# KiCad board poly_kb_wave_right.kicad_pcb (continued)
## Nets (continued)
GND: C1.2 C1_1.2 C1_2.2 C1_3.2 C1_4.2 C1_5.2 C1_6.2 C1_7.2 C1_8.2 C1_9.2 C1_10.2 C1_11.2 C1_12.2 C1_13.2 C1_14.2 C1_15.2 C1_16.2 C1_17.2 C1_18.2 C1_19.2 C1_20.2 C1_21.2 C1_22.2 C1_23.2 C1_24.2 C1_25.2 C1_26.2 C1_27.2 C1_28.2 C1_29.2 C1_30.2 C1_31.2 C1_32.2 C1_33.2 C1_34.2 C1_35.2 C1_36.2 C2.2 C2_1.2 C2_2.2 C2_3.2 C2_4.2 C2_5.2 C2_6.2 C2_7.2 C2_8.2 C2_9.2 C2_10.2 C2_11.2 C2_12.2 C2_13.2 C2_14.2 C2_15.2 C2_16.2 C2_17.2 C2_18.2 C2_19.2 C2_20.2 C2_21.2 C2_22.2 C2_23.2 C2_24.2 C2_25.2 C2_26.2 C2_27.2 C2_28.2 C2_29.2 C2_30.2 C2_31.2 C2_32.2 C2_33.2 C2_34.2 C2_35.2 C2_36.2 C3.1 C3_1.2 C3_2.2 C3_3.2 C3_4.2 C3_5.2 C3_6.2 C3_7.2 C3_8.2 C3_9.2 C3_10.2 C3_11.2 C3_12.2 C3_13.2 C3_14.2 C3_15.2 C3_16.2 C3_17.2 C3_18.2 C3_19.2 C3_20.2 C3_21.2 C3_22.2 C3_23.2 C3_24.2 C3_25.2 C3_26.2 C3_27.2 C3_28.2 C3_29.2 C3_30.2 C3_31.2 C3_32.2 C3_33.2 C3_34.2 C3_35.2 C3_36.2 C4.2 C4_1.2 C4_2.2 C4_3.2 C4_4.2 C4_5.2 C4_6.2 C4_7.2 C4_8.2 C4_9.2 C4_10.2 C4_11.2 C4_12.2 C4_13.2 C4_14.2 C4_15.2 C4_16.2 C4_17.2 C4_18.2 C4_19.2 C4_20.2 C4_21.2 C4_22.2 C4_23.2 C4_24.2 C4_25.2 C4_26.2 C4_27.2 C4_28.2 C4_29.2 C4_30.2 C4_31.2 C4_32.2 C4_33.2 C4_34.2 C4_35.2 C4_36.2 C6.2 C7.1 C8.1 C9.2 C10.2 C12.2 C13.2 C14.2 C15.2 C16.2 C17.2 C18.2 C19.2 C20.2 C21.2 C22.2 C23.2 C24.2 C25.2 C26.2 C32.1 C33.2 C34.2 H1.1 H2.1 H3.1 H4.1 H5.1 H6.1 H7.1 H8.1 H9.1 J1.1 J2.1 J3.1 J4.1 J5.1 J6.1 J7.1 J8.1 J9.1 J10.1 J11.1 J12.1 J13.1 J14.1 J15.1 J16.1 J17.1 J18.1 J19.1 J20.1 J21.1 J22.1 J23.1 J24.1 J25.1 J26.1 J27.1 J28.1 J29.1 J30.1 J31.1 J32.1 J33.1 J34.1 J35.1 J36.1 J37.1 J37.8 J37.10 J37.12 J37.13 J37.15 J37.16 J37.17 J37.21 J37.22 J37.23 J37.24 J37.25 J37.29 J37.30 J38.1 J40.2 J43.11 J44.1 JP33.3 LED1.3 LED2.3 LED3.3 LED4.3 LED5.3 LED6.3 LED7.3 LED8.3 LED9.3 LED10.3 LED11.3 LED12.3 LED13.3 LED14.3 LED15.3 LED16.3 LED17.3 LED18.3 LED19.3 LED20.3 LED21.3 LED22.3 LED23.3 LED24.3 LED25.3 LED26.3 LED27.3 LED28.3 LED29.3 LED30.3 LED31.3 LED32.3 LED33.3 LED34.3 LED35.3 LED36.3 R5.1 R6.1 R7.1 R9.1 R12.1 R13.2 R15.2 R16.1 R17.1 R18.2 R30.1 SW2.2 SW3.1 U1.2 U2.2 U3.2 U4.8 U4.13 U5.8 U5.13 U6.8 U6.13 U7.8 U7.13 U8.8 U8.13 U9.4 U10.19 U10.57 U30.1 U30.3 U31.1 U31.3 U32.1 U32.3 U33.1 U33.3 U34.1 U34.3 U35.1 U35.3 U36.1 U36.3 U37.1 U37.3 U38.1 U38.3 U39.1 U39.3 U40.1 U40.3 U41.1 U41.3 U42.1 U42.3 U43.1 U43.3 USB1.1 USB1.12 USB2.1 USB2.3 USB2.4 USB2.9 USB2.10 USB2.12 Y1.2 Y1.4
VBAT: C2_1.1 C2_2.1 C2_3.1 C2_4.1 C2_5.1 C2_6.1 C2_7.1 C2_8.1 C2_9.1 C2_10.1 C2_11.1 C2_12.1 C2_13.1 C2_14.1 C2_15.1 C2_16.1 C2_17.1 C2_18.1 C2_19.1 C2_20.1 C2_21.1 C2_22.1 C2_23.1 C2_24.1 C2_25.1 C2_26.1 C2_27.1 C2_28.1 C2_29.1 C2_30.1 C2_31.1 C2_32.1 C2_33.1 C2_34.1 C2_35.1 C2_36.1 J1.6 J2.6 J3.6 J4.6 J5.6 J6.6 J7.6 J8.6 J9.6 J10.6 J11.6 J12.6 J13.6 J14.6 J15.6 J16.6 J17.6 J18.6 J19.6 J20.6 J21.6 J22.6 J23.6 J24.6 J25.6 J26.6 J27.6 J28.6 J29.6 J30.6 J31.6 J32.6 J33.6 J34.6 J35.6 J36.6 J38.10 JP2.2 JP4.2 JP31.1 JP32.3
VBUS: CR1.2 JP1.3 JP30.3 R8.1 USB1.2 USB1.11 USB2.2 USB2.11
VDD: C3_1.1 C3_2.1 C3_3.1 C3_4.1 C3_5.1 C3_6.1 C3_7.1 C3_8.1 C3_9.1 C3_10.1 C3_11.1 C3_12.1 C3_13.1 C3_14.1 C3_15.1 C3_16.1 C3_17.1 C3_18.1 C3_19.1 C3_20.1 C3_21.1 C3_22.1 C3_23.1 C3_24.1 C3_25.1 C3_26.1 C3_27.1 C3_28.1 C3_29.1 C3_30.1 C3_31.1 C3_32.1 C3_33.1 C3_34.1 C3_35.1 C3_36.1 C32.2 J1.7 J2.7 J3.7 J4.7 J5.7 J6.7 J7.7 J8.7 J9.7 J10.7 J11.7 J12.7 J13.7 J14.7 J15.7 J16.7 J17.7 J18.7 J19.7 J20.7 J21.7 J22.7 J23.7 J24.7 J25.7 J26.7 J27.7 J28.7 J29.7 J30.7 J31.7 J32.7 J33.7 J34.7 J35.7 J36.7 J37.9 J37.11 J38.9 JP12.2 JP14.2 JP32.1 R1_1.1 R1_2.1 R1_3.1 R1_4.1 R1_5.1 R1_6.1 R1_7.1 R1_8.1 R1_9.1 R1_10.1 R1_11.1 R1_12.1 R1_13.1 R1_14.1 R1_15.1 R1_16.1 R1_17.1 R1_18.1 R1_19.1 R1_20.1 R1_21.1 R1_22.1 R1_23.1 R1_24.1 R1_25.1 R1_26.1 R1_27.1 R1_28.1 R1_29.1 R1_30.1 R1_31.1 R1_32.1 R1_33.1 R1_34.1 R1_35.1 R1_36.1 R3.1 R4.1 U4.16 U5.16 U6.16 U7.16 U8.16 U30.5 U31.5 U32.5 U33.5 U34.5 U35.5 U36.5 U37.5 U38.5 U39.5 U40.5 U41.5 U42.5 U43.5
/K_1/C1N: C6_2.2 J2.5
/K_1/C1P: C6_2.1 J2.4
/K_1/C2N: C5_2.2 J2.3
/K_1/C2P: C5_2.1 J2.2
/K_1/CS: J2.8 R1_2.2 U4.1
/K_1/LED_DIN: LED2.4 LED3.2
/K_1/LED_DOUT: LED1.4 LED2.2
/K_1/VCOMH: C4_2.1 J2.13
/K_2/C1N: C6_3.2 J3.5
/K_2/C1P: C6_3.1 J3.4
/K_2/C2N: C5_3.2 J3.3
/K_2/C2P: C5_3.1 J3.2
/K_2/CS: J3.8 R1_3.2 U4.2
/K_2/LED_DIN: LED3.4 LED4.2
/K_2/VCOMH: C4_3.1 J3.13
/K_3/C1N: C6_4.2 J4.5
/K_3/C1P: C6_4.1 J4.4
/K_3/C2N: C5_4.2 J4.3
/K_3/C2P: C5_4.1 J4.2
/K_3/CS: J4.8 R1_4.2 U4.3
/K_3/LED_DIN: LED4.4 LED5.2
/K_3/VCOMH: C4_4.1 J4.13
/K_4/C1N: C6_5.2 J5.5
/K_4/C1P: C6_5.1 J5.4
/K_4/C2N: C5_5.2 J5.3
/K_4/C2P: C5_5.1 J5.2
/K_4/CS: J5.8 R1_5.2 U4.4
/K_4/LED_DIN: LED5.4 LED6.2
/K_4/VCOMH: C4_5.1 J5.13
/K_5/C1N: C6_6.2 J6.5
/K_5/C1P: C6_6.1 J6.4
/K_5/C2N: C5_6.2 J6.3
/K_5/C2P: C5_6.1 J6.2
/K_5/CS: J6.8 R1_6.2 U4.5
/K_5/LED_DIN: LED6.4 LED7.2
/K_5/VCOMH: C4_6.1 J6.13
/K_A/C1N: C6_16.2 J16.5
/K_A/C1P: C6_16.1 J16.4
/K_A/C2N: C5_16.2 J16.3
/K_A/C2P: C5_16.1 J16.2
/K_A/CS: J16.8 R1_16.2 U6.1
/K_A/LED_DIN: LED16.4 LED17.2
/K_A/LED_DOUT: LED15.4 LED16.2
/K_A/VCOMH: C4_16.1 J16.13
/K_B1/C1N: C6_30.2 J30.5
/K_B1/C1P: C6_30.1 J30.4
/K_B1/C2N: C5_30.2 J30.3
/K_B1/C2P: C5_30.1 J30.2
/K_B1/CS: J30.8 R1_30.2 U8.1
/K_B1/LED_DIN: LED30.4 LED31.2
/K_B1/LED_DOUT: LED29.4 LED30.2
/K_B1/VCOMH: C4_30.1 J30.13
/K_B2/C1N: C6_31.2 J31.5
/K_B2/C1P: C6_31.1 J31.4
/K_B2/C2N: C5_31.2 J31.3
/K_B2/C2P: C5_31.1 J31.2
/K_B2/CS: J31.8 R1_31.2 U8.2
/K_B2/LED_DIN: LED31.4 LED32.2
/K_B2/VCOMH: C4_31.1 J31.13
/K_B3/C1N: C6_32.2 J32.5
/K_B3/C1P: C6_32.1 J32.4
/K_B3/C2N: C5_32.2 J32.3
/K_B3/C2P: C5_32.1 J32.2
/K_B3/CS: J32.8 R1_32.2 U8.3
/K_B3/LED_DIN: LED32.4 LED33.2
/K_B3/VCOMH: C4_32.1 J32.13
/K_B4/C1N: C6_33.2 J33.5
/K_B4/C1P: C6_33.1 J33.4
/K_B4/C2N: C5_33.2 J33.3
/K_B4/C2P: C5_33.1 J33.2
/K_B4/CS: J33.8 R1_33.2 U8.4
/K_B4/LED_DIN: LED33.4 LED34.2
/K_B4/VCOMH: C4_33.1 J33.13
/K_B5/C1N: C6_34.2 J34.5
/K_B5/C1P: C6_34.1 J34.4
/K_B5/C2N: C5_34.2 J34.3
/K_B5/C2P: C5_34.1 J34.2
/K_B5/CS: J34.8 R1_34.2 U8.5
/K_B5/LED_DIN: LED34.4 LED35.2
/K_B5/VCOMH: C4_34.1 J34.13
/K_B6/C1N: C6_35.2 J35.5
/K_B6/C1P: C6_35.1 J35.4
/K_B6/C2N: C5_35.2 J35.3
/K_B6/C2P: C5_35.1 J35.2
/K_B6/CS: J35.8 R1_35.2 U8.6
/K_B6/LED_DIN: LED35.4 LED36.2
/K_B6/VCOMH: C4_35.1 J35.13
/K_B7/C1N: C6_36.2 J36.5
/K_B7/C1P: C6_36.1 J36.4
/K_B7/C2N: C5_36.2 J36.3
/K_B7/C2P: C5_36.1 J36.2
/K_B7/CS: J36.8 R1_36.2 U8.7
/K_B7/LED_DIN: LED22.2 LED36.4
/K_B7/VCOMH: C4_36.1 J36.13
/K_B8/C1N: C6_29.2 J29.5
/K_B8/C1P: C6_29.1 J29.4
/K_B8/C2N: C5_29.2 J29.3
/K_B8/C2P: C5_29.1 J29.2
/K_B8/CS: J29.8 R1_29.2 U8.15
/K_B8/LED_DOUT: LED29.2
/K_B8/VCOMH: C4_29.1 J29.13
/K_B/C1N: C6_27.2 J27.5
/K_B/C1P: C6_27.1 J27.4
/K_B/C2N: C5_27.2 J27.3
/K_B/C2P: C5_27.1 J27.2
/K_B/CS: J27.8 R1_27.2 U7.5
/K_B/LED_DIN: LED27.4 LED28.2
/K_B/LED_DOUT: LED26.4 LED27.2
/K_B/VCOMH: C4_27.1 J27.13
/K_C/C1N: C6_25.2 J25.5
/K_C/C1P: C6_25.1 J25.4
/K_C/C2N: C5_25.2 J25.3
/K_C/C2P: C5_25.1 J25.2
/K_C/CS: J25.8 R1_25.2 U7.3
/K_C/LED_DIN: LED25.4 LED26.2
/K_C/LED_DOUT: LED24.4 LED25.2
/K_C/VCOMH: C4_25.1 J25.13
/K_D/C1N: C6_18.2 J18.5
/K_D/C1P: C6_18.1 J18.4
/K_D/C2N: C5_18.2 J18.3
/K_D/C2P: C5_18.1 J18.2
/K_D/CS: J18.8 R1_18.2 U6.3
/K_D/LED_DIN: LED18.4 LED19.2
/K_D/LED_DOUT: LED17.4 LED18.2
/K_D/VCOMH: C4_18.1 J18.13
/K_E/C1N: C6_11.2 J11.5
/K_E/C1P: C6_11.1 J11.4
/K_E/C2N: C5_11.2 J11.3
/K_E/C2P: C5_11.1 J11.2
/K_E/CS: J11.8 R1_11.2 U5.3
/K_E/LED_DIN: LED11.4 LED12.2
/K_E/LED_DOUT: LED10.4 LED11.2
/K_E/VCOMH: C4_11.1 J11.13
/K_F/C1N: C6_19.2 J19.5
/K_F/C1P: C6_19.1 J19.4
/K_F/C2N: C5_19.2 J19.3
/K_F/C2P: C5_19.1 J19.2
/K_F/CS: J19.8 R1_19.2 U6.4
/K_F/LED_DIN: LED19.4 LED20.2
/K_F/VCOMH: C4_19.1 J19.13
/K_G/C1N: C6_20.2 J20.5
/K_G/C1P: C6_20.1 J20.4
/K_G/C2N: C5_20.2 J20.3
/K_G/C2P: C5_20.1 J20.2
/K_G/CS: J20.8 R1_20.2 U6.5
/K_G/LED_DIN: LED20.4 LED21.2
/K_G/VCOMH: C4_20.1 J20.13
/K_L1/C1N: C6_1.2 J1.5
/K_L1/C1P: C6_1.1 J1.4
/K_L1/C2N: C5_1.2 J1.3
/K_L1/C2P: C5_1.1 J1.2
/K_L1/CS: J1.8 R1_1.2 U4.15
/K_L1/LED_DOUT: LED1.2 LED14.4
/K_L1/VCOMH: C4_1.1 J1.13
/K_L2/C1N: C6_8.2 J8.5
/K_L2/C1P: C6_8.1 J8.4
/K_L2/C2N: C5_8.2 J8.3
/K_L2/C2P: C5_8.1 J8.2
/K_L2/CS: J8.8 R1_8.2 U5.15
/K_L2/LED_DIN: LED8.4 LED9.2
/K_L2/LED_DOUT: LED8.2 LED21.4
/K_L2/VCOMH: C4_8.1 J8.13
/K_L3/C1N: C6_15.2 J15.5
/K_L3/C1P: C6_15.1 J15.4
/K_L3/C2N: C5_15.2 J15.3
/K_L3/C2P: C5_15.1 J15.2
/K_L3/CS: J15.8 R1_15.2 U6.15
/K_L3/LED_DOUT: LED15.2 LED28.4
/K_L3/VCOMH: C4_15.1 J15.13
/K_L4/C1N: C6_22.2 J22.5
/K_L4/C1P: C6_22.1 J22.4
/K_L4/C2N: C5_22.2 J22.3
/K_L4/C2P: C5_22.1 J22.2
/K_L4/CS: J22.8 R1_22.2 U7.15
/K_L4/LED_DIN: LED22.4 LED23.2
/K_L4/VCOMH: C4_22.1 J22.13
/K_L6/C1N: C6_7.2 J7.5
/K_L6/C1P: C6_7.1 J7.4
/K_L6/C2N: C5_7.2 J7.3
/K_L6/C2P: C5_7.1 J7.2
/K_L6/CS: J7.8 R1_7.2 U4.6
/K_L6/VCOMH: C4_7.1 J7.13
/K_L7/C1N: C6_14.2 J14.5
/K_L7/C1P: C6_14.1 J14.4
/K_L7/C2N: C5_14.2 J14.3
/K_L7/C2P: C5_14.1 J14.2
/K_L7/CS: J14.8 R1_14.2 U5.6
/K_L7/LED_DOUT: LED13.4 LED14.2
/K_L7/VCOMH: C4_14.1 J14.13
/K_L8/C1N: C6_21.2 J21.5
/K_L8/C1P: C6_21.1 J21.4
/K_L8/C2N: C5_21.2 J21.3
/K_L8/C2P: C5_21.1 J21.2
/K_L8/CS: J21.8 R1_21.2 U6.6
/K_L8/VCOMH: C4_21.1 J21.13
/K_L9/C1N: C6_28.2 J28.5
/K_L9/C1P: C6_28.1 J28.4
/K_L9/C2N: C5_28.2 J28.3
/K_L9/C2P: C5_28.1 J28.2
/K_L9/CS: J28.8 R1_28.2 U7.6
/K_L9/VCOMH: C4_28.1 J28.13
/K_Q/C1N: C6_9.2 J9.5
/K_Q/C1P: C6_9.1 J9.4
/K_Q/C2N: C5_9.2 J9.3
/K_Q/C2P: C5_9.1 J9.2
/K_Q/CS: J9.8 R1_9.2 U5.1
/K_Q/LED_DIN: LED9.4 LED10.2
/K_Q/VCOMH: C4_9.1 J9.13
/K_R/C1N: C6_12.2 J12.5
/K_R/C1P: C6_12.1 J12.4
/K_R/C2N: C5_12.2 J12.3
/K_R/C2P: C5_12.1 J12.2
/K_R/CS: J12.8 R1_12.2 U5.4
/K_R/LED_DIN: LED12.4 LED13.2
/K_R/VCOMH: C4_12.1 J12.13
/K_S/C1N: C6_17.2 J17.5
/K_S/C1P: C6_17.1 J17.4
/K_S/C2N: C5_17.2 J17.3
/K_S/C2P: C5_17.1 J17.2
/K_S/CS: J17.8 R1_17.2 U6.2
/K_S/VCOMH: C4_17.1 J17.13
/K_T/C1N: C6_13.2 J13.5
/K_T/C1P: C6_13.1 J13.4
/K_T/C2N: C5_13.2 J13.3
/K_T/C2P: C5_13.1 J13.2
/K_T/CS: J13.8 R1_13.2 U5.5
/K_T/VCOMH: C4_13.1 J13.13
/K_V/C1N: C6_26.2 J26.5
/K_V/C1P: C6_26.1 J26.4
/K_V/C2N: C5_26.2 J26.3
/K_V/C2P: C5_26.1 J26.2
/K_V/CS: J26.8 R1_26.2 U7.4
/K_V/VCOMH: C4_26.1 J26.13
/K_W/C1N: C6_10.2 J10.5
/K_W/C1P: C6_10.1 J10.4
/K_W/C2N: C5_10.2 J10.3
/K_W/C2P: C5_10.1 J10.2
/K_W/CS: J10.8 R1_10.2 U5.2
/K_W/VCOMH: C4_10.1 J10.13
/K_X/C1N: C6_24.2 J24.5
/K_X/C1P: C6_24.1 J24.4
/K_X/C2N: C5_24.2 J24.3
/K_X/C2P: C5_24.1 J24.2
/K_X/CS: J24.8 R1_24.2 U7.2
/K_X/LED_DOUT: LED23.4 LED24.2
/K_X/VCOMH: C4_24.1 J24.13
/K_Z/C1N: C6_23.2 J23.5
/K_Z/C1P: C6_23.1 J23.4
/K_Z/C2N: C5_23.2 J23.3
/K_Z/C2P: C5_23.1 J23.2
/K_Z/CS: J23.8 R1_23.2 U7.1
/K_Z/VCOMH: C4_23.1 J23.13
/RpPico/GPIO6: JP9.2 R1.1 U10.8
/RpPico/GPIO7: JP10.2 R2.1 U10.9
/RpPico/GPIO24: R8.2 R15.1 U10.36
/RpPico/QSPI_SCLK: U9.6 U10.52
/RpPico/QSPI_SD0: U9.5 U10.53
/RpPico/QSPI_SD1: U9.2 U10.55
/RpPico/QSPI_SD2: U9.3 U10.54
/RpPico/QSPI_SD3: U9.7 U10.51
/RpPico/QSPI_SS: R20.2 R21.1 U9.1 U10.56
/RpPico/RUN: SW3.2 U10.26
/RpPico/SWCLK: J40.3 U10.24
/RpPico/SWD: J40.1 U10.25
/RpPico/USB_D+: R22.1 TP14.1 USB1.6 USB1.8
/RpPico/USB_D-: R23.1 TP1.1 USB1.5 USB1.7
/RpPico/XIN: C3.2 U10.20 Y1.1
/RpPico/XOUT: R19.2 U10.21
/RpPico/~{USB_BOOT}: R21.2 SW2.1
/SCLK1: J1.11 J8.11 J15.11 J22.11 J29.11 J30.11 J38.2 JP37.2
/SCLK2: J2.11 J9.11 J16.11 J23.11 J31.11 JP35.2
/SCLK3: J3.11 J10.11 J17.11 J24.11 J32.11 JP39.2
/SCLK4: J4.11 J11.11 J18.11 J25.11 J33.11 JP41.2
/SCLK5: J5.11 J12.11 J19.11 J26.11 J34.11 JP43.2
/SCLK6: J6.11 J13.11 J20.11 J27.11 J35.11 JP45.2
/SCLK7: J7.11 J14.11 J21.11 J28.11 J36.11 JP47.2
/SDIN1: J1.12 J8.12 J15.12 J22.12 J29.12 J30.12 J38.3 JP36.2
/SDIN2: J2.12 J9.12 J16.12 J23.12 J31.12 JP34.2
/SDIN3: J3.12 J10.12 J17.12 J24.12 J32.12 JP38.2
/SDIN4: J4.12 J11.12 J18.12 J25.12 J33.12 JP40.2
/SDIN5: J5.12 J12.12 J19.12 J26.12 J34.12 JP42.2
/SDIN6: J6.12 J13.12 J20.12 J27.12 J35.12 JP44.2
/SDIN7: J7.12 J14.12 J21.12 J28.12 J36.12 JP46.2
/ShiftRegisters/Carry1: U4.9 U5.14
/ShiftRegisters/Carry2: U5.9 U6.14
/ShiftRegisters/Carry3: U6.9 U7.14
/ShiftRegisters/Carry4: U7.9 U8.14
/ShiftRegisters/CarryOut: U8.9
/ShiftRegisters/Out1_8: U4.7
/ShiftRegisters/Out2_8: U5.7
/ShiftRegisters/Out3_8: U6.7
/ShiftRegisters/Out4_8: U7.7
Col1: D1_29.1 D12.1 SW1.C U10.13
Col2: D1_1.1 D1_8.1 D1_15.1 D1_22.1 D1_30.1 U10.14
Col3: D1_2.1 D1_9.1 D1_16.1 D1_23.1 D1_31.1 U10.15
Col4: D1_3.1 D1_10.1 D1_17.1 D1_24.1 D1_32.1 U10.16
Col5: D1_4.1 D1_11.1 D1_18.1 D1_25.1 D1_33.1 U10.17
Col6: D1_5.1 D1_12.1 D1_19.1 D1_26.1 D1_34.1 U10.18
Col7: D1_6.1 D1_13.1 D1_20.1 D1_27.1 D1_35.1 U10.27
Col8: D1_7.1 D1_14.1 D1_21.1 D1_28.1 D1_36.1 U10.5
D-C: J1.10 J2.10 J3.10 J4.10 J5.10 J6.10 J7.10 J8.10 J9.10 J10.10 J11.10 J12.10 J13.10 J14.10 J15.10 J16.10 J17.10 J18.10 J19.10 J20.10 J21.10 J22.10 J23.10 J24.10 J25.10 J26.10 J27.10 J28.10 J29.10 J30.10 J31.10 J32.10 J33.10 J34.10 J35.10 J36.10 J38.4 JP6.2 U10.11
ENC_A: SW1.A U10.37
ENC_B: SW1.B U10.41
I2C_SCL: J37.18 J39.1 J43.9 J44.3 R24.2 U10.3
I2C_SDA: J37.19 J37.20 J39.2 J43.10 J44.4 R25.2 U10.2
LED_ARR_START: LED7.4 U10.4
PICO_3V3: C5.1 C6.1 C9.1 C17.1 C18.1 C19.1 C20.1 C21.1 C22.1 C23.1 C24.1 C26.1 D1.2 J39.3 J43.12 J44.5 JP3.1 JP11.1 JP13.1 JP14.1 L2.2 R14.2 R20.1 R24.1 R25.1 U9.8 U10.1 U10.10 U10.22 U10.33 U10.42 U10.43 U10.44 U10.48 U10.49
RESET: J1.9 J2.9 J3.9 J4.9 J5.9 J6.9 J7.9 J8.9 J9.9 J10.9 J11.9 J12.9 J13.9 J14.9 J15.9 J16.9 J17.9 J18.9 J19.9 J20.9 J21.9 J22.9 J23.9 J24.9 J25.9 J26.9 J27.9 J28.9 J29.9 J30.9 J31.9 J32.9 J33.9 J34.9 J35.9 J36.9 J37.14 J38.5 JP5.2 U4.10 U5.10 U6.10 U7.10 U8.10 U10.12
Row1: SW_K_1.1 SW_K_2.1 SW_K_3.1 SW_K_4.1 SW_K_5.1 SW_K_6.1 SW_K_7.1 U10.29
Row2: SW_K_8.1 SW_K_9.1 SW_K_10.1 SW_K_11.1 SW_K_12.1 SW_K_13.1 SW_K_14.1 U10.30
Row3: SW_K_15.1 SW_K_16.1 SW_K_17.1 SW_K_18.1 SW_K_19.1 SW_K_20.1 SW_K_21.1 U10.31
Row4: SW1.S1 SW_K_22.1 SW_K_23.1 SW_K_24.1 SW_K_25.1 SW_K_26.1 SW_K_27.1 SW_K_28.1 U10.32
Row5: SW_K_29.1 SW_K_30.1 SW_K_31.1 SW_K_32.1 SW_K_33.1 SW_K_34.1 SW_K_35.1 SW_K_36.1 U10.34
SCLK_RAW: JP8.2 JP9.1 JP35.3 JP37.3 JP39.3 JP41.3 JP43.3 JP45.3 JP47.3 R1.2 U31.2 U33.2 U35.2 U37.2 U39.2 U41.2 U43.2
SDIN_RAW: JP7.2 JP10.1 JP34.3 JP36.3 JP38.3 JP40.3 JP42.3 JP44.3 JP46.3 R2.2 U30.2 U32.2 U34.2 U36.2 U38.2 U40.2 U42.2
SERIAL_COM1: U10.6 USB2.6 USB2.8
SERIAL_COM2: JP33.2 U10.7
SPI0_CS_NC: U10.28
SR_CLOCK: J38.6 U4.11 U5.11 U6.11 U7.11 U8.11 U10.39
SR_DATA: J38.7 U4.14 U10.38
SR_LATCH: J38.8 U4.12 U5.12 U6.12 U7.12 U8.12 U10.40
TB_INT: J44.2 U10.35
VLED: JP31.2 LED1.1 LED2.1 LED3.1 LED4.1 LED5.1 LED6.1 LED7.1 LED8.1 LED9.1 LED10.1 LED11.1 LED12.1 LED13.1 LED14.1 LED15.1 LED16.1 LED17.1 LED18.1 LED19.1 LED20.1 LED21.1 LED22.1 LED23.1 LED24.1 LED25.1 LED26.1 LED27.1 LED28.1 LED29.1 LED30.1 LED31.1 LED32.1 LED33.1 LED34.1 LED35.1 LED36.1
VSYS: C4.1 CR1.1 JP1.1 JP4.1 JP30.1 U1.1 U1.4
Net-(C1-Pad1): C1.1 JP7.1
Net-(C2-Pad1): C2.1 JP8.1
Net-(C5-Pad2): C5.2 R14.1 R17.2 U1.5
Net-(C7-Pad2): C7.2 R18.1 USB1.13
Net-(C8-Pad2): C8.2 R19.1 Y1.3
Net-(C10-Pad1): C10.1 JP1.2 U2.4
Net-(C11-Pad1): C11.1 C12.1 D6.2 JP2.1 L1.2 R10.2
Net-(C11-Pad2): C11.2 R11.1 R12.2 U2.5
Net-(C13-Pad1): C13.1 JP11.2 U3.5
Net-(C14-Pad1): C14.1 D5.2 JP12.1 U3.1
Net-(C30-Pad1): C30.1 J37.2
Net-(C30-Pad2): C30.2 J37.3
Net-(C31-Pad1): C31.1 J37.4
Net-(C31-Pad2): C31.2 J37.5
Net-(C33-Pad1): C33.1 J37.27
Net-(C34-Pad1): C34.1 J37.28
Net-(D1-Pad1): D1.1 R16.2
Net-(D1_1-Pad2): D1_1.2 SW_K_1.2
Net-(D1_2-Pad2): D1_2.2 SW_K_2.2
Net-(D1_3-Pad2): D1_3.2 SW_K_3.2
Net-(D1_4-Pad2): D1_4.2 SW_K_4.2
Net-(D1_5-Pad2): D1_5.2 SW_K_5.2
Net-(D1_6-Pad2): D1_6.2 SW_K_6.2
Net-(D1_7-Pad2): D1_7.2 SW_K_7.2
Net-(D1_8-Pad2): D1_8.2 SW_K_8.2
Net-(D1_9-Pad2): D1_9.2 SW_K_9.2
Net-(D1_10-Pad2): D1_10.2 SW_K_10.2
Net-(D1_11-Pad2): D1_11.2 SW_K_11.2
Net-(D1_12-Pad2): D1_12.2 SW_K_12.2
Net-(D1_13-Pad2): D1_13.2 SW_K_13.2
Net-(D1_14-Pad2): D1_14.2 SW_K_14.2
Net-(D1_15-Pad2): D1_15.2 SW_K_15.2
Net-(D1_16-Pad2): D1_16.2 SW_K_16.2
Net-(D1_17-Pad2): D1_17.2 SW_K_17.2
Net-(D1_18-Pad2): D1_18.2 SW_K_18.2
Net-(D1_19-Pad2): D1_19.2 SW_K_19.2
Net-(D1_20-Pad2): D1_20.2 SW_K_20.2
Net-(D1_21-Pad2): D1_21.2 SW_K_21.2
Net-(D1_22-Pad2): D1_22.2 SW_K_22.2
Net-(D1_23-Pad2): D1_23.2 SW_K_23.2
Net-(D1_24-Pad2): D1_24.2 SW_K_24.2
Net-(D1_25-Pad2): D1_25.2 SW_K_25.2
Net-(D1_26-Pad2): D1_26.2 SW_K_26.2
Net-(D1_27-Pad2): D1_27.2 SW_K_27.2
Net-(D1_28-Pad2): D1_28.2 SW_K_28.2
Net-(D1_29-Pad2): D1_29.2 SW_K_29.2
Net-(D1_30-Pad2): D1_30.2 SW_K_30.2
Net-(D1_31-Pad2): D1_31.2 SW_K_31.2
Net-(D1_32-Pad2): D1_32.2 SW_K_32.2
Net-(D1_33-Pad2): D1_33.2 SW_K_33.2
Net-(D1_34-Pad2): D1_34.2 SW_K_34.2
Net-(D1_35-Pad2): D1_35.2 SW_K_35.2
Net-(D1_36-Pad2): D1_36.2 SW_K_36.2
Net-(D5-Pad1): D5.1 R5.2
Net-(D6-Pad1): D6.1 R6.2
Net-(D12-Pad2): D12.2 SW1.S2
Net-(J37-Pad6): J37.6 JP32.2
Net-(J37-Pad26): J37.26 R30.2
Net-(JP3-Pad2): JP3.2 U2.1
Net-(JP5-Pad1): JP5.1 R3.2
Net-(JP6-Pad1): JP6.1 R4.2
Net-(JP13-Pad2): JP13.2 U3.4
Net-(JP30-Pad2): JP30.2 JP31.3
Net-(JP33-Pad1): JP33.1 USB2.5 USB2.7
Net-(JP34-Pad1): JP34.1 U30.4
Net-(JP35-Pad1): JP35.1 U31.4
Net-(JP36-Pad1): JP36.1 U32.4
Net-(JP37-Pad1): JP37.1 U33.4
Net-(JP38-Pad1): JP38.1 U34.4
Net-(JP39-Pad1): JP39.1 U35.4
Net-(JP40-Pad1): JP40.1 U36.4
Net-(JP41-Pad1): JP41.1 U37.4
Net-(JP42-Pad1): JP42.1 U38.4
Net-(JP43-Pad1): JP43.1 U39.4
Net-(JP44-Pad1): JP44.1 U40.4
Net-(JP45-Pad1): JP45.1 U41.4
Net-(JP46-Pad1): JP46.1 U42.4
Net-(JP47-Pad1): JP47.1 U43.4
Net-(L1-Pad1): L1.1 U2.3
Net-(L2-Pad1): L2.1 U1.3
Net-(R7-Pad2): R7.2 USB1.4
Net-(R9-Pad2): R9.2 USB1.10
Net-(R10-Pad1): R10.1 R11.2
Net-(R13-Pad1): R13.1 U3.3
Net-(R22-Pad2): R22.2 U10.47
Net-(R23-Pad2): R23.2 U10.46

Pads without a net: J1 MP1 MP2; J2 MP1 MP2; J3 MP1 MP2; J4 MP1 MP2; J5 MP1 MP2; J6 MP1 MP2; J7 MP1 MP2; J8 MP1 MP2; J9 MP1 MP2; J10 MP1 MP2; J11 MP1 MP2; J12 MP1 MP2; J13 MP1 MP2; J14 MP1 MP2; J15 MP1 MP2; J16 MP1 MP2; J17 MP1 MP2; J18 MP1 MP2; J19 MP1 MP2; J20 MP1 MP2; J21 MP1 MP2; J22 MP1 MP2; J23 MP1 MP2; J24 MP1 MP2; J25 MP1 MP2; J26 MP1 MP2; J27 MP1 MP2; J28 MP1 MP2; J29 MP1 MP2; J30 MP1 MP2; J31 MP1 MP2; J32 MP1 MP2; J33 MP1 MP2; J34 MP1 MP2; J35 MP1 MP2; J36 MP1 MP2; J37 7 MP; J43 1 2 3 4 5 6 7 8 MP1 MP2; USB1 3 9; USB2 13

## Via types
v1: diameter 1, hole 0.5, Top to Bottom, 65 vias
v2: diameter 0.45, hole 0.2, Top to Bottom, 80 vias
v3: diameter 0.61, hole 0.305, Top to Bottom, 694 vias
v4: diameter 0.8, hole 0.4, Top to Bottom, 67 vias

## Routing (per net, layer and track width the routed paths; a pad name or vN(x,y) marks a point on that pad's centre or on a via; arc(x,y) is an arc through that point)
+1V1: length 11.1
  Top w0.229: C16.1 16.67,106.83 v2(16.55,106.83) 16.53,106.81 16.53,106.18 16.05,105.7 16.05,102.32 15.98,102.25 15.98,101.76 v2(15.96,101.74) ; v2(15.24,106.83) 15.23,106.83 14.75,107.31
  Bottom w0.229: U10.45 14.95,107.12 v2(15.24,106.83) v2(16.55,106.83) 16.95,107.23 U10.50 ; v2(15.96,101.74) 15.96,101.54 16.15,101.34 U10.23
/K_1/VCC: length 3.3
  Bottom w0.3: 56.82,116.2 58.64,116.2 J2.14
/K_2/VCC: length 3.3
  Bottom w0.3: 75.87,118.58 77.69,118.58 J3.14
/K_3/VCC: length 3.3
  Bottom w0.3: J4.14 96.74,120.96 94.92,120.96
/K_4/VCC: length 3.3
  Bottom w0.3: 113.97,118.58 115.79,118.58 J5.14
/K_5/VCC: length 3.3
  Bottom w0.3: J6.14 134.84,116.2 133.02,116.2
/K_A/VCC: length 3.3
  Bottom w0.3: J16.14 58.64,78.1 56.82,78.1
/K_B1/VCC: length 3.3
  Bottom w0.3: J30.14 20.22,23.73 18.51,23.11
/K_B2/VCC: length 3.3
  Bottom w0.3: J31.14 42.02,30.43 40.26,30.01
/K_B3/VCC: length 3.3
  Bottom w0.3: J32.14 65.68,34.75 63.87,34.59
/K_B4/VCC: length 3.3
  Bottom w0.3: J33.14 96.74,44.76 94.92,44.76
/K_B5/VCC: length 3.3
  Bottom w0.3: 116.8,41.36 115.79,42.38 113.97,42.38
/K_B6/VCC: length 3.3
  Bottom w0.3: J35.14 134.84,40 133.02,40
/K_B7/VCC: length 3.3
  Bottom w0.3: J36.14 153.89,40 152.07,40
/K_B8/VCC: length 3.3
  Bottom w0.3: 10.4,43.76 12.11,44.39 J29.14
/K_B/VCC: length 3.3
  Bottom w0.3: J27.14 134.84,59.05 133.02,59.05
/K_C/VCC: length 3.3
  Bottom w0.3: J25.14 96.74,63.81 94.92,63.81
/K_D/VCC: length 3.3
  Bottom w0.3: J18.14 96.74,82.86 94.92,82.86
/K_E/VCC: length 3.3
  Bottom w0.3: 94.92,101.91 96.74,101.91 J11.14
/K_F/VCC: length 3.3
  Bottom w0.3: 113.97,80.48 115.79,80.48 J19.14
/K_G/VCC: length 3.3
  Bottom w0.3: J20.14 134.84,78.1 133.02,78.1
/K_L1/VCC: length 3.3
  Bottom w0.3: J1.14 39.59,116.2 37.77,116.2
/K_L2/VCC: length 3.3
  Bottom w0.3: J8.14 39.59,97.15 37.77,97.15
/K_L3/VCC: length 3.3
  Bottom w0.3: 37.77,78.1 39.59,78.1 J15.14
/K_L4/VCC: length 3.3
  Bottom w0.3: 34.59,51.72 36.35,52.15 J22.14
/K_L6/VCC: length 3.3
  Bottom w0.3: J7.14 158.65,116.2 156.83,116.2
/K_L7/VCC: length 3.3
  Bottom w0.3: J14.14 158.65,97.15 156.83,97.15
/K_L8/VCC: length 3.3
  Bottom w0.3: 156.83,78.1 158.65,78.1 J21.14
/K_L9/VCC: length 3.3
  Bottom w0.3: J28.14 158.65,59.05 156.83,59.05
/K_Q/VCC: length 3.3
  Bottom w0.3: 56.82,97.15 58.64,97.15 J9.14
/K_R/VCC: length 3.3
  Bottom w0.3: 113.97,99.53 115.79,99.53 116.8,98.51
/K_S/VCC: length 3.3
  Bottom w0.3: 75.87,80.48 77.69,80.48 J17.14
/K_T/VCC: length 3.3
  Bottom w0.3: 133.02,97.15 134.84,97.15 J13.14
/K_V/VCC: length 3.3
  Bottom w0.3: 113.97,61.43 115.79,61.43 J26.14
/K_W/VCC: length 3.3
  Bottom w0.3: 75.87,99.53 77.69,99.53 78.7,98.51
/K_X/VCC: length 3.3
  Bottom w0.3: 75.87,61.43 77.69,61.43 J24.14
/K_Z/VCC: length 3.3
  Bottom w0.3: 56.82,59.05 58.64,59.05 J23.14
GND: length 542.3
  Top w0.203: 15.55,88.75 15.55,87.96 16.05,87.96 16.05,87.25 v3(17.35,85.95) ; 14.05,87.96 14.55,87.96 14.55,83.55 14.25,83.25 12.9,83.25 12.5,83.66 12.5,86.35 ; 13.05,87.96 13.05,87.16 ; J37.8 12.05,86.8 12.5,86.35 ; C32.1 12.05,89.37 12.05,87.16 ; 12.5,86.35 13.05,86.91 J37.10
  Top w0.229: C24.2 13.57,109.63 v3(13.5,109.7) ; v3(23.7,110.03) 23.29,109.62 C9.2 ; v3(7.7,88.7) 8.45,87.96 8.55,87.96
  Top w0.254: J37.13 14.55,88.84 14.63,88.91 15.48,88.91 15.55,88.84 J37.15
  Top w0.3: v3(22.57,97.69) 23.93,96.33 R30.1 26.43,96.33 v3(26.45,96.35) ; R6.1 4.06,87.42 v3(4.06,86.03) ; H9.1 6.03,117.03 6.05,117.03 ; v3(27.2,94.31) 27.65,93.85 C33.2 v3(27.65,91.41) C34.2 26.68,89.23 23.43,89.23 23.05,88.85 23.05,87.96
  Top w0.4: C22.2 18.03,106.13 U10.57 ; 15.02,102.25 15.02,102.5 15.48,102.95 U10.57 ; 15.48,105.63 15.23,105.63 14.75,106.1 14.75,106.35 ; U10.57 15.43,104.33 14.52,104.33 14.47,104.28 ; 16.98,102.84 16.98,102.22 ; C17.2 14.9,103.44 15.15,103.19 15.3,103.19 ; U10.57 17.1,105.91 C16.2 ; U10.57 15.48,106.08 15.75,106.35 ; 18.12,104.88 C23.2
  Top w0.5: C12.2 5.84,96.73 U2.2 5.84,102.02 R12.1 6.41,102.72 C10.2 ; 18.03,104.79 U10.57 U10.57 U10.57 ; 18.03,104.79 18.12,104.88 ; 18.03,104.79 U10.57 ; R18.2 8.94,118.14 6.08,121 4.1,121 5,121.91 v1(12.4,121.91) 13.34,121.91 R7.1 13.39,121.91 14.06,122.58 18.45,122.58 19.11,121.91 R9.1 19.94,121.85 v1(20.01,121.78) 20.82,121.78 21.6,121 21.6,117.91 21.1,117.41 v1(20.3,117.41) ; R18.2 10.94,118.14 v1(11.73,117.35) ; R18.2 10.09,118.14 9.39,117.45 9.39,116.72 9.99,116.12 C7.1 10.1,114.78 9.85,114.53 ; R5.1 2.6,77.55 v1(1.99,78.17) ; 15.3,103.19 U10.57 U10.57 15.48,105.63 ; U10.57 U10.57 U10.57 U10.57 ; U10.57 U10.57 ; 14.47,104.28 C19.2 ; 16.98,102.22 16.98,102.22 ; 16.83,102.99 16.98,102.84
  Top w0.75: C6.2 2.75,114.56 2.15,115.16 C4.2 4.1,118.35 4.1,121 ; R17.1 2.68,108.35 3.19,107.83 8.02,107.83 v1(8.1,107.75) ; 9.85,114.53 9.83,114.56 U1.2 ; 11.7,117.35 v1(11.73,117.35)
  In1.Cu w0.5: U10.57 U10.57 ; 15.48,105.55 15.48,103 ; U10.57 U10.57 ; U10.57 U10.57 U10.57 U10.57
  In2.Cu w0.5: 16.75,105.56 16.75,103.01 ; 15.47,104.28 18.02,104.28 ; 15.47,105.56 18.02,105.56 18.02,103.01 15.47,103.01 15.47,105.56
  Bottom w0.203: v2(15.4,92.6) 15.4,96.25 v2(15.3,96.35) ; v3(23.7,110.03) 23,109.33 U9.4 ; v2(18.85,97.95) v2(20.05,97.95) 20.1,97.95 v2(20.75,97.31) 20.75,97.25 v2(21.5,96.5) v2(21.5,93.1)
  Bottom w0.229: v2(17.9,98.35) 17.75,98.5 17.75,99.7 ; 17.75,99.7 U10.19 17.75,102.73 U10.57 ; 17.75,99.7 17.75,99.45 v2(17.9,99.31)
  Bottom w0.25: v3(17.12,76.3) 16.77,76.65 16.77,78.84 16.37,79.93 14.02,79.93 13.07,78.98
  Bottom w0.254: U32.1 37.55,121.09 37.3,120.84 36.49,120.84 36.28,121.04 36.28,122.22 U32.3 36.25,122.75 v3(35.8,123.2) ; C4_4.2 93.82,109.35 v3(94.9,108.27) ; v3(150.18,102.98) 150.16,102.96 U4.13 150.16,100.63 v3(149.47,99.94) ; U35.1 69.75,124.33 69.17,124.91 v3(68.49,124.91) 68.45,124.88 U35.3 ; v3(148.91,110.22) 148.87,110.17 C2_6.2 ; v3(146.57,59.43) 148.32,57.68 148.32,54.71 C2_27.2 ; U6.13 150.11,63.8 150.91,64.6 v3(152.97,64.6) ; U43.3 169.05,118.16 C3_7.2 170.35,118.22 U43.1 ; 155.15,119.19 155.15,118.71 C4_7.2 ; 155.15,119.19 U42.3 ; 155.15,119.19 156.21,119.19 156.45,119.43 U42.1 ; v3(11.9,78.88) 12.97,78.88 13.07,78.98 ; U37.3 107.45,124.69 107.77,125 108.47,125 108.75,124.72 U37.1 ; v3(152.44,92.52) 152.76,92.2 U5.8 ; v3(145.58,89.93) 145.58,90.14 C2_13.2 147.31,91.88 147.31,94.38 v3(149.01,96.07) ; 54.55,119.58 C4_2.2 ; 54.55,119.58 55.41,119.58 55.85,120.02 U30.1 ; 54.55,119.58 U30.3 ; v3(53.8,123.91) 53.81,123.9 U34.3 54.55,124.48 54.62,124.55 55.78,124.55 55.85,124.48 U34.1 ; H7.1 151.35,80.52 v3(151.35,82.58) 150.16,83.77 U5.13 ; U36.3 93.65,123.92 93.93,123.65 94.67,123.65 94.95,123.93 U36.1 ; 93.62,120.96 90.77,118.1 v3(89.9,118.1) ; v3(152.41,109) 152.76,108.66 U4.8 152.76,106.32 v3(151.91,105.47) ; v3(92.83,19.82) 92.8,19.84 U8.13 ; C2_20.2 149.98,72.1 v3(150.64,71.44) 152.71,69.36 U6.8 ; v3(50.3,124) 50.25,123.95 U33.3 50.25,121.91 50.64,121.53 51.22,121.53 51.55,121.86 U33.1 ; v3(152.68,52.68) U7.8 152.68,48.72 v3(152.52,48.55) 150.08,46.12 U7.13
  Bottom w0.3: v3(105.32,119.9) 105.28,119.94 J4.1 ; C3_12.2 126.81,100.62 v3(127.52,99.91) ; J3.1 86.27,117.56 v3(86.27,117.56) ; C3_1.2 50.61,117.29 v3(51.32,116.58) ; C3_16.2 69.66,79.19 v3(70.37,78.48) ; v3(127.52,61.81) 126.81,62.52 C3_26.2 ; v3(165.62,40.38) 164.91,41.09 C3_36.2 ; C3_18.2 107.76,83.95 v3(108.47,83.24) ; J26.1 124.37,60.41 v3(124.37,60.41) ; J32.1 v3(74.32,34.49) ; C3_34.2 126.81,43.47 v3(127.52,42.76) ; v3(108.47,64.19) 107.76,64.9 C3_25.2 ; J13.1 v3(143.42,96.13) ; C3_6.2 145.86,117.29 v3(146.57,116.58) ; v3(108.47,102.29) 107.76,103 C3_11.2 ; J8.1 48.17,96.13 v3(48.17,96.13) ; J20.1 v3(143.42,77.08) ; v3(86.27,60.41) 86.27,60.41 J24.1 ; v3(47.67,55.26) 46.81,55.78 C3_22.2 ; 123.3,41.36 124.37,41.36 v3(124.37,41.36) ; v3(105.32,81.84) 105.32,81.84 J18.1 ; C3_33.2 107.76,46.03 v3(108.38,45.41) ; v3(146.4,40.38) 145.86,40.92 C3_35.2 ; J35.1 v3(143.42,38.98) ; J31.1 50.61,31.45 v3(50.61,31.45) ; C3_10.2 88.71,100.62 v3(89.42,99.91) ; C3_21.2 169.67,79.19 v3(170.38,78.48) ; v3(89.9,118.1) 88.71,119.3 C3_3.2 ; J5.1 124.37,117.56 v3(124.37,117.56) ; J33.1 105.32,43.74 v3(105.32,43.74) ; J22.1 v3(44.94,53.16) ; v3(51.32,78.48) 50.61,79.19 C3_15.2 ; v3(48.17,77.08) 48.17,77.08 J15.1 ; v3(170.38,97.53) 169.67,98.24 C3_14.2 ; v3(70.37,97.53) 69.66,98.24 C3_9.2 ; J2.1 v3(67.22,115.18) ; C3_2.2 69.66,117.29 v3(70.37,116.58) ; C3_5.2 126.81,119.67 v3(127.52,118.96) ; C3_20.2 146.59,79.44 148.93,77.1 ; v3(31.09,28) 30.88,28 C3_30.2 ; v3(170.38,59.43) 169.67,60.14 C3_28.2 ; C3_7.2 170.11,117.1 v3(170.86,117.1) 173.83,117.1 H6.1 ; J6.1 v3(143.42,115.18) ; J1.1 48.17,115.18 v3(48.17,115.18) ; J16.1 v3(67.22,77.08) ; C3_23.2 69.66,60.14 v3(70.37,59.43) ; J25.1 105.32,62.79 v3(105.32,62.79) ; v3(146.57,97.53) 145.86,98.24 C3_13.2 ; J11.1 105.32,100.89 v3(105.32,100.89) ; C3_8.2 50.61,98.24 v3(51.32,97.53) ; v3(86.27,79.46) 86.27,79.46 J17.1 ; 85.2,98.51 85.95,98.51 v3(86.24,98.22) ; J23.1 v3(67.22,58.03) ; J30.1 28.63,25.71 v3(28.63,25.71) ; v3(89.42,61.81) 88.71,62.52 C3_24.2 ; v3(162.47,38.98) 162.47,38.98 J36.1 ; J28.1 v3(167.23,58.03) ; J19.1 124.37,79.46 v3(124.37,79.46) ; C3_17.2 88.71,81.57 v3(89.42,80.86) ; 123.3,98.51 124.37,98.51 v3(124.37,98.51) ; C3_4.2 108.49,121.57 v3(108.58,121.57) ; v3(20.52,46.37) 20.52,46.37 J29.1 ; J27.1 v3(143.42,58.03) ; J14.1 v3(167.23,96.13) ; J21.1 v3(167.23,77.08) ; v3(146.57,59.43) 145.86,60.14 C3_27.2 ; v3(127.52,80.86) 126.81,81.57 C3_19.2 ; v3(53.5,33.39) 53.35,33.39 C3_31.2 ; J9.1 v3(67.22,96.13) ; J7.1 v3(167.23,115.18)